# KiCad board ebaz4205.kicad_pcb (continued)
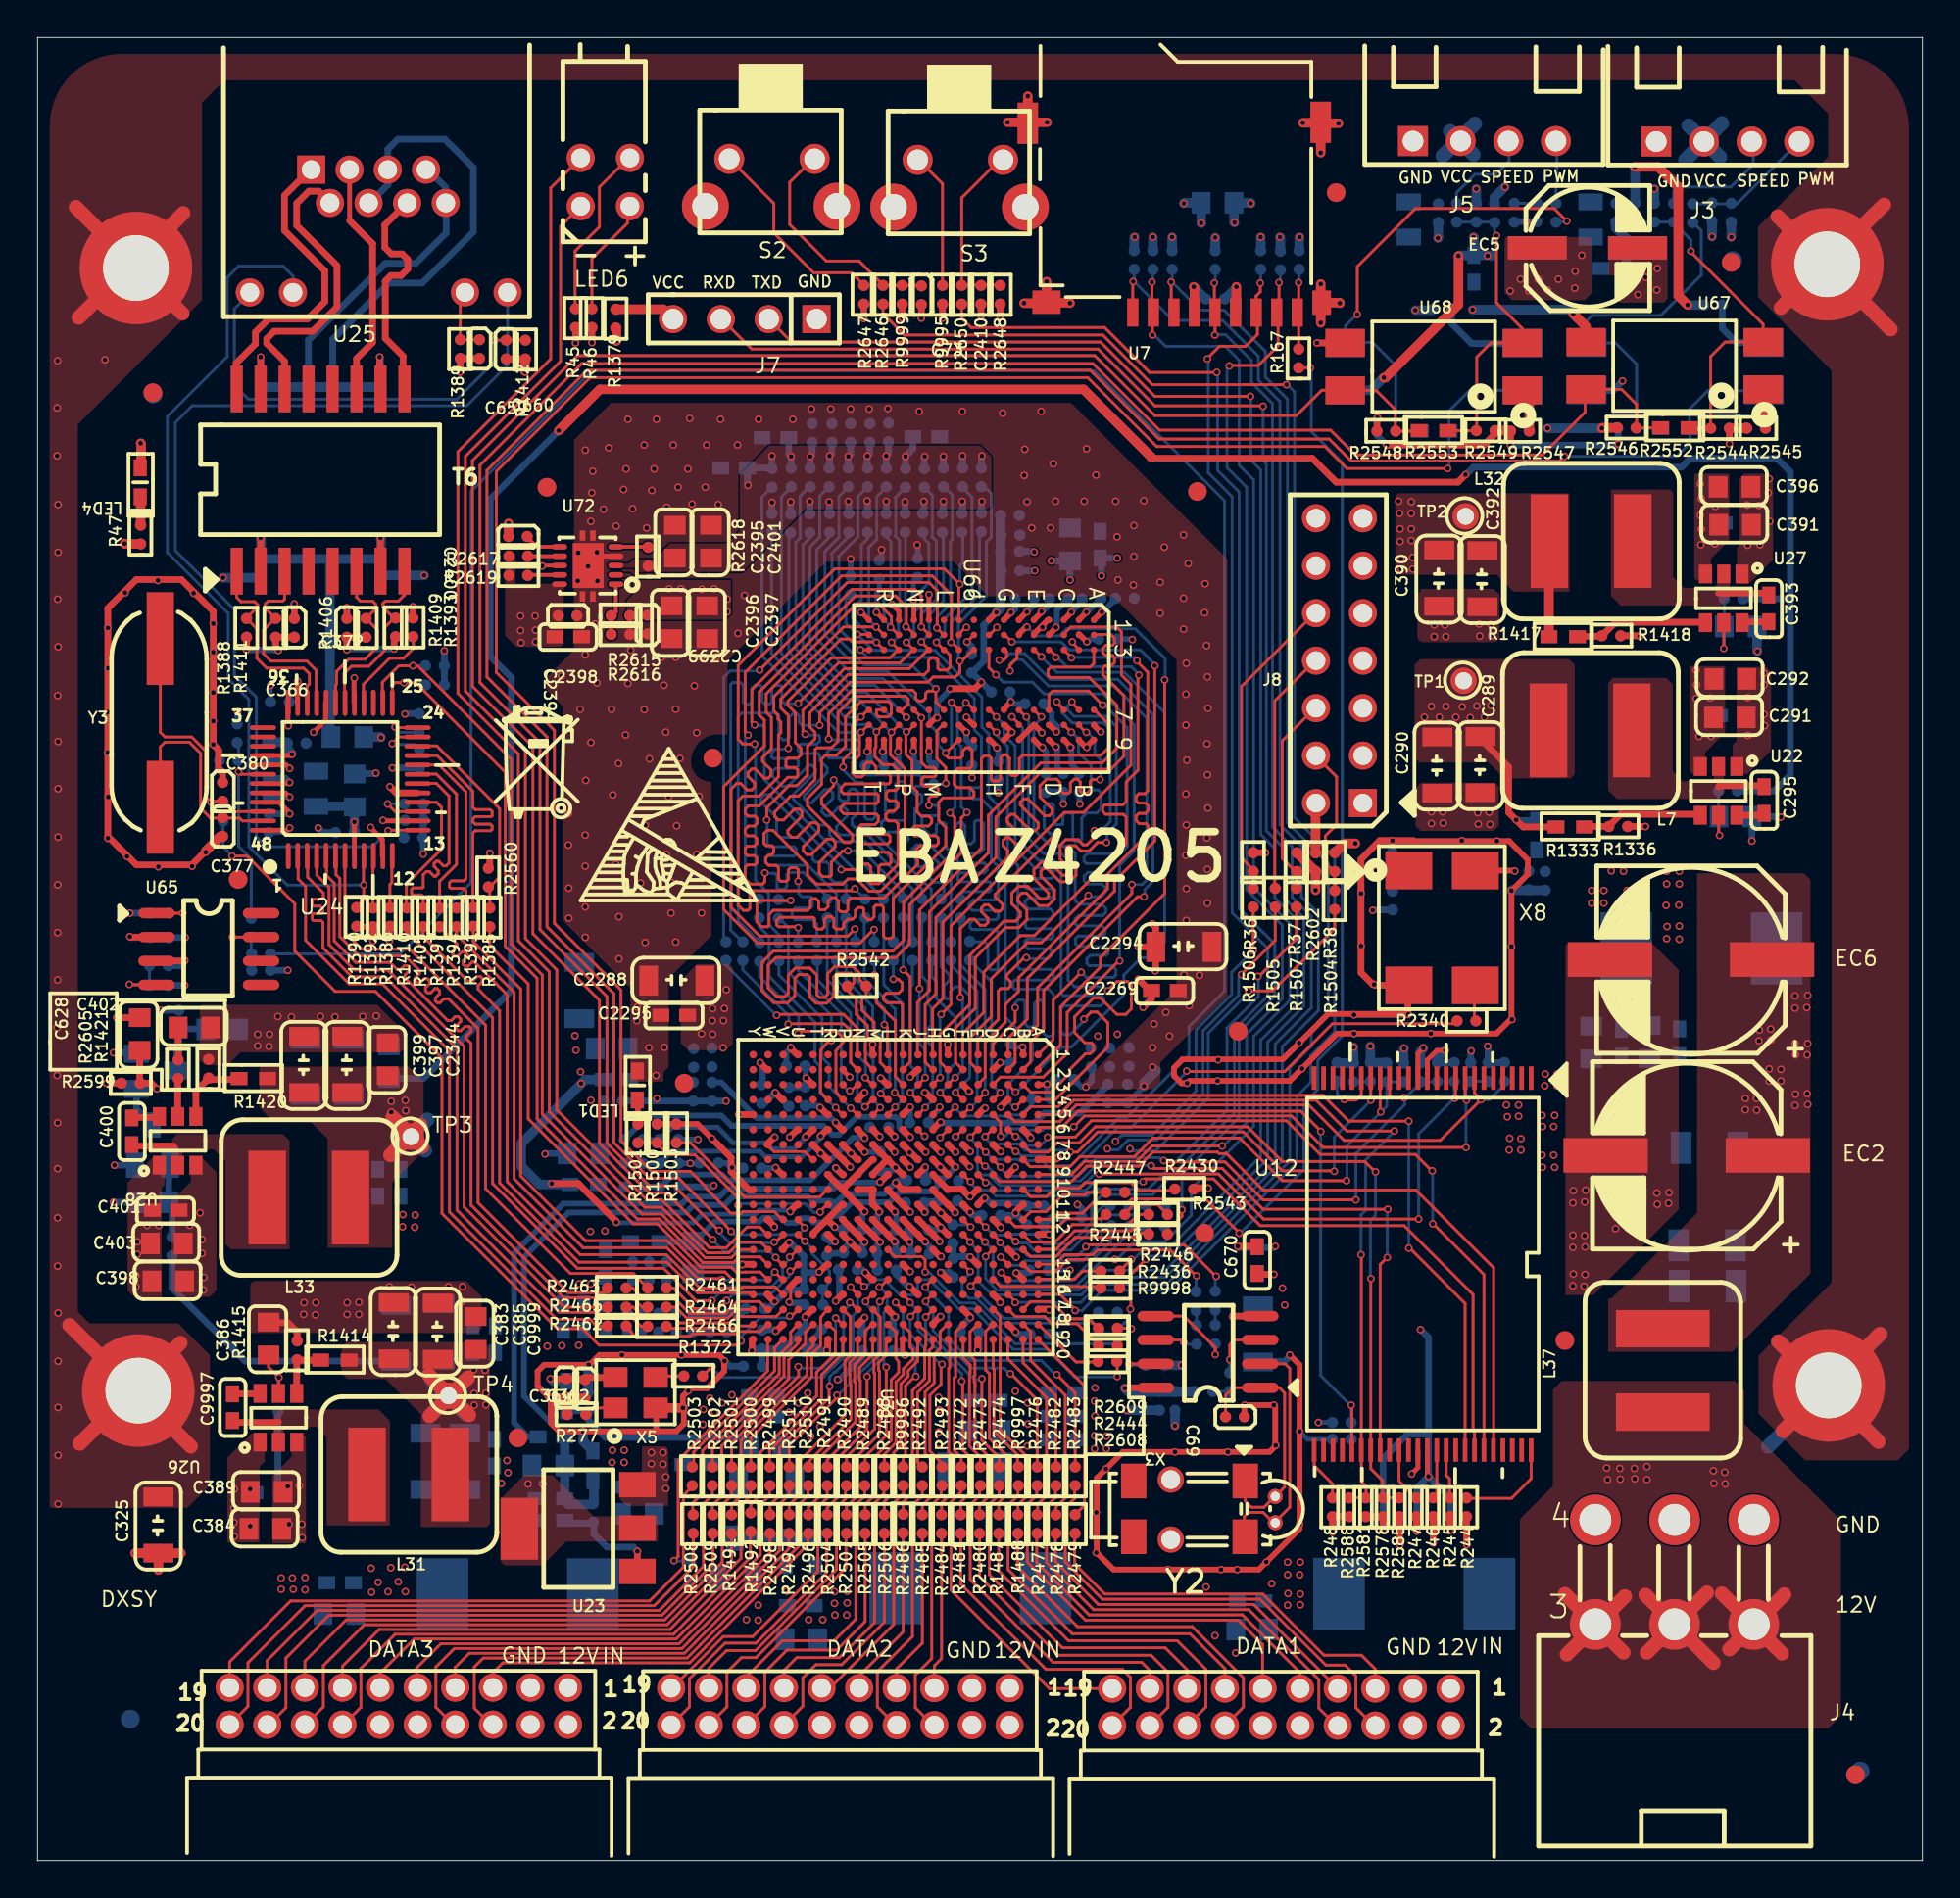
[diagram p0: board, top side]
## Placement (name value [footprint] x y rotation side) (continued)
R2441  NC  [unnamed]  58.28 33.88 180 bottom
R2442  NC  [unnamed]  58.23 34.95 180 bottom
R2443  NC  [unnamed]  60.13 33.8 180 bottom
R2444  NC  [unnamed]  56.6 27.48 0 top
R2445  NC  [unnamed]  57 34.48 0 top
R2446  NC  [unnamed]  59.28 33.43 0 top
R2447  NC  [unnamed]  57 35.65 0 top
R2455  240R 1%  [unnamed]  47.8 57.43 90 bottom
R2456  80.5R 1%  [unnamed]  47.53 39.38 180 bottom
R2457  80.5R 1%  [unnamed]  54.05 40.65 180 bottom
R2458  1.2K 1%  [unnamed]  58.23 42.38 90 bottom
R2459  1.2K 1%  [unnamed]  58.15 40.43 90 bottom
R2460  0R 5%  [unnamed#28]  29.93 36.08 180 bottom
R2461  22R 1%  [unnamed]  32.55 30.55 0 top
R2462  22R 1%  [unnamed]  30.4 28.53 0 top
R2463  22R 1%  [unnamed]  30.4 30.55 0 top
R2464  22R 1%  [unnamed]  32.55 29.53 0 top
R2465  22R 1%  [unnamed]  30.4 29.53 0 top
R2466  22R 1%  [unnamed]  32.55 28.5 0 top
R2468  NC  [unnamed#28]  28.13 18.15 180 bottom
R2469  4.7K 1%  [unnamed]  21.7 63.75 180 bottom
R2470  4.7K 1%  [unnamed]  21.7 62.73 180 bottom
R2471  0R 5%  [unnamed#28]  28.13 19.3 180 bottom
R2472  22R 1%  [unnamed]  49.28 20 90 top
R2473  22R 1%  [unnamed]  50.3 20 90 top
R2474  22R 1%  [unnamed]  51.3 20 90 top
R2476  22R 1%  [unnamed]  53.33 20 90 top
R2477  22R 1%  [unnamed]  53.33 17.45 90 top
R2478  22R 1%  [unnamed]  54.33 17.45 90 top
R2479  22R 1%  [unnamed]  55.35 17.45 90 top
R2480  22R 1%  [unnamed]  50.25 17.45 90 top
R2481  22R 1%  [unnamed]  49.25 17.45 90 top
R2482  22R 1%  [unnamed]  54.33 20 90 top
R2483  22R 1%  [unnamed]  55.35 20 90 top
R2484  22R 1%  [unnamed]  48.23 17.45 90 top
R2485  22R 1%  [unnamed]  47.2 17.45 90 top
R2486  22R 1%  [unnamed]  46.18 17.48 90 top
R2487  NC  [unnamed]  29.65 19.05 270 bottom
R2488  22R 1%  [unnamed]  45.18 20 90 top
R2489  22R 1%  [unnamed]  44.13 20 90 top
R2490  22R 1%  [unnamed]  43.15 20 90 top
R2491  22R 1%  [unnamed]  42.13 20 90 top
R2492  22R 1%  [unnamed]  47.2 20 90 top
R2493  22R 1%  [unnamed]  48.25 20 90 top
R2496  22R 1%  [unnamed]  41.13 17.45 90 top
R2497  22R 1%  [unnamed]  40.1 17.45 90 top
R2498  22R 1%  [unnamed]  39.08 17.45 90 top
R2499  22R 1%  [unnamed]  39.08 20 90 top
R2500  22R 1%  [unnamed]  38.05 20 90 top
R2501  22R 1%  [unnamed]  37.03 20 90 top
R2502  22R 1%  [unnamed]  36 20 90 top
R2503  22R 1%  [unnamed]  34.93 20 90 top
R2504  22R 1%  [unnamed]  42.13 17.45 90 top
R2505  22R 1%  [unnamed]  44.15 17.45 90 top
R2506  22R 1%  [unnamed]  45.18 17.45 90 top
R2507  22R 1%  [unnamed]  43.15 17.45 90 top
R2508  22R 1%  [unnamed]  34.98 17.45 90 top
R2509  22R 1%  [unnamed]  36.03 17.45 90 top
R2510  22R 1%  [unnamed]  41.13 20 90 top
R2511  22R 1%  [unnamed]  40.1 20 90 top
R2512  0R 1%  [unnamed]  51.38 34.43 180 bottom
R2513  10R 1%  [unnamed]  39.55 48 90 bottom
R2514  10R 1%  [unnamed]  45.13 50.3 90 bottom
R2515  10R 1%  [unnamed]  39.53 50.28 90 bottom
R2516  10R 1%  [unnamed]  47.18 50.33 90 bottom
R2517  10R 1%  [unnamed]  37.63 48.03 90 bottom
R2518  10R 1%  [unnamed]  46.18 50.33 90 bottom
R2519  10R 1%  [unnamed]  42.13 50.3 90 bottom
R2520  10R 1%  [unnamed]  44.63 48.03 90 bottom
R2521  10R 1%  [unnamed]  41.58 48.03 90 bottom
R2522  10R 1%  [unnamed]  43.63 48.03 90 bottom
R2523  10R 1%  [unnamed]  43.13 50.3 90 bottom
R2524  10R 1%  [unnamed]  44.15 50.3 90 bottom
R2525  10R 1%  [unnamed]  45.65 48.03 90 bottom
R2526  10R 1%  [unnamed]  46.68 48.03 90 bottom
R2527  10R 1%  [unnamed]  48.73 48.03 90 bottom
R2528  10R 1%  [unnamed]  47.7 48.03 90 bottom
R2529  10R 1%  [unnamed]  49.23 50.3 90 bottom
R2530  10R 1%  [unnamed]  49.73 48.05 90 bottom
R2531  10R 1%  [unnamed]  48.2 50.3 90 bottom
R2532  10R 1%  [unnamed]  38.53 47.98 90 bottom
R2533  10R 1%  [unnamed]  38.5 50.3 90 bottom
R2534  10R 1%  [unnamed]  42.63 48.03 90 bottom
R2535  10R 1%  [unnamed]  36.73 48.03 90 bottom
R2536  10R 1%  [unnamed]  40.58 48 90 bottom
R2537  1.2K 1%  [unnamed]  51.4 68.83 0 bottom
R2538  1.2K 1%  [unnamed]  51.38 71.78 0 bottom
R2539  20K 1%  [unnamed]  48.83 32.93 90 bottom
R2540  NC  [unnamed]  41.88 30.48 180 bottom
R2541  20K 1%  [unnamed]  41.9 29.65 180 bottom
R2542  80.5R 1%  [unnamed]  43.2 46.65 0 top
R2543  NC  [unnamed]  59.28 34.48 0 top
R2544  10K 1%  [unnamed]  89.25 76.43 0 top
R2545  10K 1%  [unnamed]  91.18 76.43 0 top
R2546  10K 1%  [unnamed]  84.28 76.45 0 top
R2547  10K 1%  [unnamed]  78.58 76.28 0 top
R2548  10K 1%  [unnamed]  71.45 76.28 0 top
R2549  10K 1%  [unnamed]  76.75 76.3 0 top
R2551  1K 1%  [unnamed]  88.88 83 0 bottom
R2552  NC  [unnamed#28]  86.58 76.45 0 top
R2553  NC  [unnamed#28]  73.7 76.3 0 top
R2554  NC  [unnamed#28]  88.13 76.43 180 bottom
R2556  10K 1%  [unnamed]  71.45 76.28 0 bottom
R2557  NC  [unnamed#28]  75.3 76.28 180 bottom
R2558  1M 5%  [unnamed#47]  90.7 38.03 180 bottom
R2559  1M 5%  [unnamed#47]  90.6 30.65 180 bottom
R2560  4.7K 1%  [unnamed]  24.05 51.95 90 top
R2577  NC  [unnamed]  70.08 23.38 180 bottom
R2578  20K 1%  [unnamed]  71.78 18.35 90 top
R2579  NC  [unnamed]  70.2 41.55 90 bottom
R2580  NC  [unnamed]  72.88 41.55 90 bottom
R2581  NC  [unnamed]  70.85 18.35 90 top
R2582  NC  [unnamed]  74.68 41.58 90 bottom
R2583  NC  [unnamed]  77.38 41.58 90 bottom
R2584  20K 1%  [unnamed]  70.08 22.48 180 bottom
R2585  NC  [unnamed]  72.65 18.35 90 top
R2586  20K 1%  [unnamed]  71.1 41.58 90 bottom
R2587  20K 1%  [unnamed]  71.98 41.55 90 bottom
R2588  20K 1%  [unnamed]  69.98 18.35 90 top
R2590  20K 1%  [unnamed]  76.45 41.58 90 bottom
R2598  20K 1%  [unnamed]  73.78 41.55 90 bottom
R2599  10K 1%  [unnamed]  4.48 41.48 0 top
R2602  0R 1%  [unnamed]  68.18 52.78 90 top
R2603  0R 1%  [unnamed]  89.68 57.08 0 bottom
R2604  0R 1%  [unnamed]  89.98 67.33 0 bottom
R2605  0R 1%  [unnamed]  7.5 41.73 90 top
R2608  NC  [unnamed]  56.58 26.63 0 top
R2609  NC  [unnamed]  56.6 28.4 0 top
R2615  NC  [unnamed]  30.6 66.43 0 top
R2616  NC  [unnamed]  30.6 65.43 0 top
R2617  NC  [unnamed]  25.15 69.6 0 top
R2618  NC  [unnamed]  32.58 69.08 90 top
R2619  NC  [unnamed]  25.15 68.58 0 top
R2621  NC  [unnamed]  47.23 70.88 90 bottom
R2622  NC  [unnamed]  42.23 73.3 90 bottom
R2623  NC  [unnamed]  46.3 73.28 90 bottom
R2624  NC  [unnamed]  46.28 70.88 90 bottom
R2625  NC  [unnamed]  41.23 73.3 90 bottom
R2626  NC  [unnamed]  45.28 70.88 90 bottom
R2627  NC  [unnamed]  39.18 70.88 90 bottom
R2628  NC  [unnamed]  45.28 73.3 90 bottom
R2629  NC  [unnamed]  39.18 73.28 90 bottom
R2630  NC  [unnamed]  44.28 70.88 90 bottom
R2631  NC  [unnamed]  43.28 70.88 90 bottom
R2632  NC  [unnamed]  40.18 70.85 90 bottom
R2633  NC  [unnamed]  42.25 70.88 90 bottom
R2634  NC  [unnamed]  44.28 73.3 90 bottom
R2635  NC  [unnamed]  40.2 73.3 90 bottom
R2636  NC  [unnamed]  47.3 73.28 90 bottom
R2637  NC  [unnamed]  41.2 70.85 90 bottom
R2638  NC  [unnamed]  48.27 70.88 90 bottom
R2639  NC  [unnamed]  50.35 73.3 90 bottom
R2640  NC  [unnamed]  50.35 70.9 90 bottom
R2641  NC  [unnamed]  49.35 73.3 90 bottom
R2642  NC  [unnamed]  49.31 70.88 90 bottom
R2643  NC  [unnamed]  48.33 73.3 90 bottom
R2644  NC  [unnamed]  43.25 73.3 90 bottom
R2645  4.7K 1%  [unnamed]  43.38 67.55 90 bottom
R2646  0R 1%  [unnamed]  45.1 83.05 90 top
R2647  0R 1%  [unnamed]  44.08 83.05 90 top
R2648  10K 1%  [unnamed]  51.35 83.05 90 top
R2650  0R 1%  [unnamed]  49.3 83.05 90 top
R2800  10K 1%  [unnamed]  7.55 45.38 270 bottom
R3555  1K 1%  [unnamed]  74.43 82.78 0 bottom
R9995  0R 1%  [unnamed]  48.28 83.05 90 top
R9996  22R 1%  [unnamed]  46.18 20 90 top
R9997  22R 1%  [unnamed]  52.33 20 90 top
R9998  NC  [unnamed]  56.73 30.55 0 top
R9999  10K 1%  [unnamed]  46.13 83.05 90 top
S2  6*6*5MM  [unnamed#39]  35.63 88.28 0 top
S3  NC  [unnamed#39]  45.68 88.23 0 top
T6  BT16B03  [unnamed#33]  10.63 68.8 0 top
TP1  3V3  [unnamed#19]  76.08 62.95 0 top
TP2  VDD_1V5  [unnamed#19]  76.18 71.73 0 top
TP3  1V8  [unnamed#19]  19.93 38.63 0 top
TP4  1V9  [unnamed#19]  21.93 24.8 0 top
U7  NC  [unnamed#18]  58.43 82.6 0 top
U12  W29N01HVSINA  [unnamed#41]  79.68 41.75 0 top
U20  MMBT3904/1AM  [unnamed#46]  7.08 37.1 180 bottom
U21  MMBT3904/1AM  [unnamed#46]  5.28 41.18 90 bottom
U22  J37I  [unnamed#10]  90.65 58.38 0 top
U23  NC  [unnamed#12]  32 15.43 0 top
U24  IP101GA  [unnamed#16]  13.38 53.6 0 top
U25  RJ45  [unnamed#29]  14.6 90.23 0 top
U26  J37I  [unnamed#10]  11.88 22.33 180 top
U27  J37I  [unnamed#10]  90.93 68.65 0 top
U28  J37I  [unnamed#10]  6.5 37.1 180 top
U30  ACOI  [unnamed#46]  38.18 15.05 180 bottom
U31  XC7Z010-1CLG400I  [unnamed#40]  53.38 43 270 top
U65  SGM706-SYS8  [unnamed#14]  6.35 50.55 0 top
U66  EM6GD16EWKG-12H  [unnamed#27]  56.35 66.2 270 top
U67  EL817  [unnamed#30]  92.05 78.5 0 top
U68  EL817  [unnamed#30]  79.2 78.45 0 top
U69  PC817  [unnamed#30]  92.1 80.98 0 bottom
U70  PC817  [unnamed#30]  79.23 80.98 0 bottom
U72  TPS51200  [unnamed#21]  30.85 68.1 0 top
X3  DS1307  [unnamed#14]  65.23 25.23 180 top
X5  NC  [unnamed#35]  30.83 24.15 0 top
X8  33.333MHZ  [unnamed#20]  73.15 52.83 0 top
Y2  NC  [unnamed#22]  64.43 20.25 0 top
Y3  25.000MHZ  [unnamed#25]  6.55 56.2 0 top

## Library data of the parts
S2 S3 = -: automotive: No; category: Switch; contact current rating: 50mA; contact resistance: 100mΩ; device class L1: Electromechanical; device class L2: Switches; device class L3: Tactile Switches; digikey description: SWITCH TACTILE SPST-NO 0.05A 24V; digikey part number: 450-1177-ND; electromechanical life: 100000Cycles; height: 7.3mm; lead free: Yes; library id: 40f7c9658163cfbb; manufacturer: TE Connectivity; mount: Through Hole; mouser description: Tactile Switches TACTILE SWITCH R/A PB; mouser part number: 506-FSMRACD; operating force: 160gf; package: SW_PTH; rohs: Yes; temperature range high: +85°C; temperature range low: -35°C; throw configuration: SPST-NO; voltage rating DC: 24V
U12 = -: Description: NAND Flash 1G-bit NAND flash, 3V, 1-bit ECC, 3V, x8; Arrow Price/Stock: https://www.arrow.com/en/products/w29n01hvsina/winbond-electronics; Height: 1.2; Manufacturer_Name: Winbond; Mouser Part Number: 454-W29N01HVSINA; Mouser Price/Stock: https://www.mouser.co.uk/ProductDetail/Winbond/W29N01HVSINA/?qs=qSfuJ%252Bfl%2Fd7iZ1AIh6iFjw%3D%3D
U31 = -: desc: xc7z010clg400
U66 = -: category: IC; device class L1: Integrated Circuits (ICs); device class L2: Memory; device class L3: RAM; digikey description: IC DRAM 2G PARALLEL 96FBGA; digikey part number: 557-1752-ND; height: 1.2mm; interface: Parallel; ipc land pattern name: BGA144N80P9X16_1410X810X120; lead free: yes; library id: 6afe3f7199e70a5b; manufacturer: Micron; max supply voltage: 1.45V; memory size: 256MB; memory type: RAM,SDRAM; min supply voltage: 1.283V; mouser part number: 340-135814-TRAY; package: FBGA96; rohs: yes; standoff height: 0.25mm; temperature range high: +95°C; temperature range low: -40°C
U72 = -: Description: Sink and Source DDR Termination Regulator; Arrow Part Number: TPS51200AQDRCRQ1; Arrow Price/Stock: https://www.arrow.com/en/products/tps51200aqdrcrq1/texas-instruments; Height: 1; Manufacturer_Name: Texas Instruments; Manufacturer_Part_Number: TPS51200AQDRCRQ1; Mouser Part Number: 595-TPS51200AQDRCRQ1; Mouser Price/Stock: https://www.mouser.co.uk/ProductDetail/Texas-Instruments/TPS51200AQDRCRQ1?qs=l7cgNqFNU1gY%2FJNJPp%252Beiw%3D%3D
X3 = -: Description: DS1307Z+, Real Time Clock, Alarm, Calendar, Clock, 56B RAM, I2C, 5V, 8-Pin SOIC; Height: 1.75; Manufacturer_Name: Maxim Integrated; Manufacturer_Part_Number: DS1307Z+; Mouser Part Number: 700-DS1307Z; Mouser Price/Stock: https://www.mouser.co.uk/ProductDetail/Maxim-Integrated/DS1307Z%2b/?qs=0Y9aZN%252BMVCUvNDMAh9aCtw%3D%3D

## Footprints (pads in the part's own frame, mm; a bottom-side part is the same pattern mirrored in y, then rotated)
unnamed
  round 0.6 smd: 1(0,0) 2(1,0)
unnamed#2
  rect 0.7x0.9 smd: 1(0,-1.55) 2(0,0)
unnamed#3
  rect 1x1.6 smd: 1(0,0) 2(3,0)
unnamed#47
  rect 1.1x1.7 smd: 1(0,0) 2(3.025,0)
unnamed#4
  round 1 smd far side: (0,0)
unnamed#48
  round 1 smd: (0,0)
unnamed#5
  round 2.7 hole 1.7: 1(0,0) 2(0,5.575) 3(-4.225,0) 4(-4.225,5.575) 5(-8.45,0) 6(-8.45,5.575)
unnamed#6
  rect 0.9x0.7 smd: 1(0,0) 2(1.425,0)
unnamed#7
  round 0.6 smd: 1(0,0) 2(0,1)
unnamed#8
  rect 2x5 smd: 1(0,0) 2(4.45,0)
unnamed#9
  rect 2x5 smd: 1(0,0) 2(4.45,0)
unnamed#10
  rect 0.7x1 smd: 1(0,0) 2(-0.975,0) 3(-1.95,0) 4(-1.95,-2.6) 5(-0.975,-2.6) 6(0,-2.6)
unnamed#11
  rect 1x1.15 smd: 1(0,0) 2(1.75,0)
unnamed#12
  rect 1.95x1.35 smd: 1(0,0) 2(0,2.312) 3(0,4.625)
  rect 2x3.3 smd: 4(-6.3,2.275)
unnamed#13
  round 6 hole 3.5: 2(0,0)
unnamed#14
  oval 1.95x0.55 smd: 1(0,0) 2(0,-1.275) 3(0,-2.55) 4(0,-3.825) 5(5.575,-3.825) 6(5.575,-2.55) 7(5.575,-1.275) 8(5.575,0)
unnamed#15
  round 1.5 hole 1: 1(0,0) 2(0,-1.975) 3(-2.006,0) 4(-2.006,-1.975) 5(-4.011,0) 6(-4.011,-1.975) 7(-6.017,0) 8(-6.017,-1.975) 9(-8.022,0) 10(-8.022,-1.975) 11(-10.028,0) 12(-10.028,-1.975) 13(-12.033,0) 14(-12.033,-1.975) 15(-14.039,0) 16(-14.039,-1.975) 17(-16.044,0) 18(-16.044,-1.975) 19(-18.05,0) 20(-18.05,-1.975)
unnamed#16
  oval 0.25x1.4 smd: 1(0,0) 2(0.505,0) 3(1.009,0) 4(1.514,0) 5(2.018,0) 6(2.523,0) 7(3.027,0) 8(3.532,0) 9(4.036,0) 10(4.541,0) 11(5.045,0) 12(5.55,0) 25(5.55,8.175) 26(5.045,8.175) 27(4.541,8.175) 28(4.036,8.175) 29(3.532,8.175) 30(3.027,8.175) 31(2.523,8.175) 32(2.018,8.175) 33(1.514,8.175) 34(1.009,8.175) 35(0.505,8.175) 36(0,8.175)
  oval 1.4x0.25 smd: 13(6.9,1.375) 14(6.9,1.873) 15(6.9,2.37) 16(6.9,2.868) 17(6.9,3.366) 18(6.9,3.864) 19(6.9,4.361) 20(6.9,4.859) 21(6.9,5.357) 22(6.9,5.855) 23(6.9,6.352) 24(6.9,6.85) 37(-1.35,6.85) 38(-1.35,6.352) 39(-1.35,5.855) 40(-1.35,5.357) 41(-1.35,4.859) 42(-1.35,4.361) 43(-1.35,3.864) 44(-1.35,3.366) 45(-1.35,2.868) 46(-1.35,2.37) 47(-1.35,1.873) 48(-1.35,1.375)
unnamed#17
  rect 1.5x1.5 hole 1.1: 1(0,0)
  round 1.5 hole 1.1: 2(-2.55,0) 3(-5.1,0) 4(-7.65,0)
unnamed#18
  rect 0.6x1.5 smd: 1(0,0) 2(1.097,0) 3(2.194,0) 4(3.291,0) 5(4.387,0) 6(5.484,0) 7(6.581,0) 8(7.678,0) 9(8.775,0)
  rect 1x1.3 smd: 10(10.075,0.525)
  rect 1.1x2.2 smd: 11(10.025,10.15) 12(-5.6,10.1)
  rect 1.5x1.25 smd: 13(-4.6,0.55)
unnamed#19
  round 1.4 hole 0.9: 1(0,0)
unnamed#49
  round 6 hole 3.5: 1(0,0)
unnamed#20
  rect 2.5x2 smd: 1(0,0) 2(0,-6.125) 3(3.55,-6.125) 4(3.55,0)
unnamed#21
  oval 0.8x0.3 smd: 1(0,0) 2(0,0.5) 3(0,1) 4(0,1.5) 5(0,2) 6(-3,2) 7(-3,1.5) 8(-3,1) 9(-3,0.5) 10(-3,0)
  rect 0.3x0.55 smd: 11(-1.775,-0.65) 12(-1.225,-0.65) 13(-1.225,2.6) 14(-1.775,2.6)
  rect 1.65x2.4 smd: 15(-1.475,1)
unnamed#22
  rect 1.35x1.85 smd: 1(0,0) 2(0,-2.975) 3(-5.95,-2.975) 4(-5.95,0)
  round 1.4 hole 1: 5(-3.975,0.075) 6(-3.975,-3.125)
  round 0.8 hole 0.5: 7(1.6,-2.225) 8(1.6,-0.825)
unnamed#23
  rect 1x1.15 smd: 1(0,0) 2(1.75,0)
unnamed#24
  round 6 hole 3.5: 3(0,0)
unnamed#25
  rect 1.45x4.95 smd: 1(0,0) 2(0,9)
unnamed#26
  rect 4.5x1.85 smd: 1(0,0) 2(-8.65,0)
unnamed#27
  round 0.35 smd: A1(0,0) A2(0.8,0) A3(1.6,0) A7(4.8,0) A8(5.6,0) A9(6.4,0) B1(0,-0.8) B2(0.8,-0.8) B3(1.6,-0.8) B7(4.8,-0.8) B8(5.6,-0.8) B9(6.4,-0.8) C1(0,-1.6) C2(0.8,-1.6) C3(1.6,-1.6) C7(4.8,-1.6) C8(5.6,-1.6) C9(6.4,-1.6) D1(0,-2.4) D2(0.8,-2.4) D3(1.6,-2.4) D7(4.8,-2.4) D8(5.6,-2.4) D9(6.4,-2.4) E1(0,-3.2) E2(0.8,-3.2) E3(1.6,-3.2) E7(4.8,-3.2) E8(5.6,-3.2) E9(6.4,-3.2) F1(0,-4) F2(0.8,-4) F3(1.6,-4) F7(4.8,-4) F8(5.6,-4) F9(6.4,-4) G1(0,-4.8) G2(0.8,-4.8) G3(1.6,-4.8) G7(4.8,-4.8) G8(5.6,-4.8) G9(6.4,-4.8) H1(0,-5.6) H2(0.8,-5.6) H3(1.6,-5.6) H7(4.8,-5.6) H8(5.6,-5.6) H9(6.4,-5.6) J1(0,-6.4) J2(0.8,-6.4) J3(1.6,-6.4) J7(4.8,-6.4) J8(5.6,-6.4) J9(6.4,-6.4) K1(0,-7.2) K2(0.8,-7.2) K3(1.6,-7.2) K7(4.8,-7.2) K8(5.6,-7.2) K9(6.4,-7.2) L1(0,-8) L2(0.8,-8) L3(1.6,-8) L7(4.8,-8) L8(5.6,-8) L9(6.4,-8) M1(0,-8.8) M2(0.8,-8.8) M3(1.6,-8.8) M7(4.8,-8.8) M8(5.6,-8.8) M9(6.4,-8.8) N1(0,-9.6) N2(0.8,-9.6) N3(1.6,-9.6) N7(4.8,-9.6) N8(5.6,-9.6) N9(6.4,-9.6) P1(0,-10.4) P2(0.8,-10.4) P3(1.6,-10.4) P7(4.8,-10.4) P8(5.6,-10.4) P9(6.4,-10.4) R1(0,-11.2) R2(0.8,-11.2) R3(1.6,-11.2) R7(4.8,-11.2) R8(5.6,-11.2) R9(6.4,-11.2) T1(0,-12) T2(0.8,-12) T3(1.6,-12) T7(4.8,-12) T8(5.6,-12) T9(6.4,-12)
unnamed#28
  rect 0.9x0.7 smd: 1(0,0) 2(1.525,0)
unnamed#29
  rect 1.5x1.5 hole 1: 1(0,0)
  round 1.5 hole 1: 2(1,-1.775) 3(2.042,0) 4(3.058,-1.775) 5(4.083,0) 6(5.117,-1.775) 7(6.125,0) 8(7.175,-1.775) 9(10.475,-6.55) 10(8.2,-6.55) 11(-0.975,-6.55) 12(-3.275,-6.55)
unnamed#30
  rect 2.1x1.5 smd: 1(0,0) 2(0,2.525) 3(-9.45,2.525) 4(-9.45,0)
unnamed#31
  round 1.5 hole 1: 1(0,0) 2(0,2.575) 3(-2.625,2.575) 4(-2.625,0)
unnamed#32
  round 6 hole 3.5: 4(0,0)
unnamed#33
  rect 0.65x2.5 smd: 1(0,0) 2(1.279,0) 3(2.557,0) 4(3.836,0) 5(5.114,0) 6(6.393,0) 7(7.671,0) 8(8.95,0) 9(8.95,9.725) 10(7.671,9.725) 11(6.393,9.725) 12(5.114,9.725) 13(3.836,9.725) 14(2.557,9.725) 15(1.279,9.725) 16(0,9.725)
unnamed#34
  rect 1.6x1.6 hole 1.1: 1(0,0)
  round 1.6 hole 1.1: 2(2.542,0) 3(5.083,0) 4(7.625,0)
unnamed#35
  rect 1.3x1.1 smd: 1(0,0) 2(0,1.625) 3(2.15,1.625) 4(2.15,0)
unnamed#36
  rect 3.15x1.25 smd: 1(0,0) 2(5.35,0)
unnamed#37
  rect 4.5x1.85 smd: 1(0,0) 2(-8.65,0)
unnamed#38
  rect 0.7x0.9 smd: 1(0,-1.55) 2(0,0)
unnamed#39
  round 2.5 hole 1.4: 1(0,0) 2(7.025,0)
  round 1.6 hole 1.1: 3(5.825,2.525) 4(1.275,2.525)
unnamed#40
  round 0.4 smd: A1(0,0) A2(0.8,0) A3(1.6,0) A4(2.4,0) A5(3.2,0) A6(4,0) A7(4.8,0) A8(5.6,0) A9(6.4,0) A10(7.2,0) A11(8,0) A12(8.8,0) A13(9.6,0) A14(10.4,0) A15(11.2,0) A16(12,0) A17(12.8,0) A18(13.6,0) A19(14.4,0) A20(15.2,0) B1(0,-0.8) B2(0.8,-0.8) B3(1.6,-0.8) B4(2.4,-0.8) B5(3.2,-0.8) B6(4,-0.8) B7(4.8,-0.8) B8(5.6,-0.8) B9(6.4,-0.8) B10(7.2,-0.8) B11(8,-0.8) B12(8.8,-0.8) B13(9.6,-0.8) B14(10.4,-0.8) B15(11.2,-0.8) B16(12,-0.8) B17(12.8,-0.8) B18(13.6,-0.8) B19(14.4,-0.8) B20(15.2,-0.8) C1(0,-1.6) C2(0.8,-1.6) C3(1.6,-1.6) C4(2.4,-1.6) C5(3.2,-1.6) C6(4,-1.6) C7(4.8,-1.6) C8(5.6,-1.6) C9(6.4,-1.6) C10(7.2,-1.6) C11(8,-1.6) C12(8.8,-1.6) C13(9.6,-1.6) C14(10.4,-1.6) C15(11.2,-1.6) C16(12,-1.6) C17(12.8,-1.6) C18(13.6,-1.6) C19(14.4,-1.6) C20(15.2,-1.6) D1(0,-2.4) D2(0.8,-2.4) D3(1.6,-2.4) D4(2.4,-2.4) D5(3.2,-2.4) D6(4,-2.4) D7(4.8,-2.4) D8(5.6,-2.4) D9(6.4,-2.4) D10(7.2,-2.4) D11(8,-2.4) D12(8.8,-2.4) D13(9.6,-2.4) D14(10.4,-2.4) D15(11.2,-2.4) D16(12,-2.4) D17(12.8,-2.4) D18(13.6,-2.4) D19(14.4,-2.4) D20(15.2,-2.4) E1(0,-3.2) E2(0.8,-3.2) E3(1.6,-3.2) E4(2.4,-3.2) E5(3.2,-3.2) E6(4,-3.2) E7(4.8,-3.2) E8(5.6,-3.2) E9(6.4,-3.2) E10(7.2,-3.2) E11(8,-3.2) E12(8.8,-3.2) E13(9.6,-3.2) E14(10.4,-3.2) E15(11.2,-3.2) E16(12,-3.2) E17(12.8,-3.2) E18(13.6,-3.2) E19(14.4,-3.2) E20(15.2,-3.2) F1(0,-4) F2(0.8,-4) F3(1.6,-4) F4(2.4,-4) F5(3.2,-4) F6(4,-4) F7(4.8,-4) F8(5.6,-4) F9(6.4,-4) F10(7.2,-4) F11(8,-4) F12(8.8,-4) F13(9.6,-4) F14(10.4,-4) F15(11.2,-4) F16(12,-4) F17(12.8,-4) F18(13.6,-4) F19(14.4,-4) F20(15.2,-4) G1(0,-4.8) G2(0.8,-4.8) G3(1.6,-4.8) G4(2.4,-4.8) G5(3.2,-4.8) G6(4,-4.8) G7(4.8,-4.8) G8(5.6,-4.8) G9(6.4,-4.8) G10(7.2,-4.8) G11(8,-4.8) G12(8.8,-4.8) G13(9.6,-4.8) G14(10.4,-4.8) G15(11.2,-4.8) G16(12,-4.8) G17(12.8,-4.8) G18(13.6,-4.8) G19(14.4,-4.8) G20(15.2,-4.8) H1(0,-5.6) H2(0.8,-5.6) H3(1.6,-5.6) H4(2.4,-5.6) H5(3.2,-5.6) H6(4,-5.6) H7(4.8,-5.6) H8(5.6,-5.6) H9(6.4,-5.6) H10(7.2,-5.6) H11(8,-5.6) H12(8.8,-5.6) H13(9.6,-5.6) H14(10.4,-5.6) H15(11.2,-5.6) H16(12,-5.6) H17(12.8,-5.6) H18(13.6,-5.6) H19(14.4,-5.6) H20(15.2,-5.6) J1(0,-6.4) J2(0.8,-6.4) J3(1.6,-6.4) J4(2.4,-6.4) J5(3.2,-6.4) J6(4,-6.4) J7(4.8,-6.4) J8(5.6,-6.4) J9(6.4,-6.4) J10(7.2,-6.4) J11(8,-6.4) J12(8.8,-6.4) J13(9.6,-6.4) J14(10.4,-6.4) J15(11.2,-6.4) J16(12,-6.4) J17(12.8,-6.4) J18(13.6,-6.4) J19(14.4,-6.4) J20(15.2,-6.4) K1(0,-7.2) K2(0.8,-7.2) K3(1.6,-7.2) K4(2.4,-7.2) K5(3.2,-7.2) K6(4,-7.2) K7(4.8,-7.2) K8(5.6,-7.2) K9(6.4,-7.2) K10(7.2,-7.2) K11(8,-7.2) K12(8.8,-7.2) K13(9.6,-7.2) K14(10.4,-7.2) K15(11.2,-7.2) K16(12,-7.2) K17(12.8,-7.2) K18(13.6,-7.2) K19(14.4,-7.2) K20(15.2,-7.2) L1(0,-8) L2(0.8,-8) L3(1.6,-8) L4(2.4,-8) L5(3.2,-8) L6(4,-8) L7(4.8,-8) L8(5.6,-8) L9(6.4,-8) L10(7.2,-8) L11(8,-8) L12(8.8,-8) L13(9.6,-8) L14(10.4,-8) L15(11.2,-8) L16(12,-8) L17(12.8,-8) L18(13.6,-8) L19(14.4,-8) L20(15.2,-8) M1(0,-8.8) M2(0.8,-8.8) M3(1.6,-8.8) M4(2.4,-8.8) M5(3.2,-8.8) M6(4,-8.8) M7(4.8,-8.8) M8(5.6,-8.8) M9(6.4,-8.8) M10(7.2,-8.8) M11(8,-8.8) M12(8.8,-8.8) M13(9.6,-8.8) M14(10.4,-8.8) M15(11.2,-8.8) M16(12,-8.8) M17(12.8,-8.8) M18(13.6,-8.8) M19(14.4,-8.8) M20(15.2,-8.8) N1(0,-9.6) N2(0.8,-9.6) N3(1.6,-9.6) N4(2.4,-9.6) N5(3.2,-9.6) N6(4,-9.6) N7(4.8,-9.6) N8(5.6,-9.6) N9(6.4,-9.6) N10(7.2,-9.6) N11(8,-9.6) N12(8.8,-9.6) N13(9.6,-9.6) N14(10.4,-9.6) N15(11.2,-9.6) N16(12,-9.6) N17(12.8,-9.6) N18(13.6,-9.6) N19(14.4,-9.6) N20(15.2,-9.6) P1(0,-10.4) P2(0.8,-10.4) P3(1.6,-10.4) P4(2.4,-10.4) P5(3.2,-10.4) P6(4,-10.4) P7(4.8,-10.4) P8(5.6,-10.4) P9(6.4,-10.4) P10(7.2,-10.4) P11(8,-10.4) P12(8.8,-10.4) P13(9.6,-10.4) P14(10.4,-10.4) P15(11.2,-10.4) P16(12,-10.4) P17(12.8,-10.4) P18(13.6,-10.4) P19(14.4,-10.4) P20(15.2,-10.4) R1(0,-11.2) R2(0.8,-11.2) R3(1.6,-11.2) R4(2.4,-11.2) R5(3.2,-11.2) R6(4,-11.2) R7(4.8,-11.2) R8(5.6,-11.2) R9(6.4,-11.2) R10(7.2,-11.2) R11(8,-11.2) R12(8.8,-11.2) R13(9.6,-11.2) R14(10.4,-11.2) R15(11.2,-11.2) R16(12,-11.2) R17(12.8,-11.2) R18(13.6,-11.2) R19(14.4,-11.2) R20(15.2,-11.2) T1(0,-12) T2(0.8,-12) T3(1.6,-12) T4(2.4,-12) T5(3.2,-12) T6(4,-12) T7(4.8,-12) T8(5.6,-12) T9(6.4,-12) T10(7.2,-12) T11(8,-12) T12(8.8,-12) T13(9.6,-12) T14(10.4,-12) T15(11.2,-12) T16(12,-12) T17(12.8,-12) T18(13.6,-12) T19(14.4,-12) T20(15.2,-12) U1(0,-12.8) U2(0.8,-12.8) U3(1.6,-12.8) U4(2.4,-12.8) U5(3.2,-12.8) U6(4,-12.8) U7(4.8,-12.8) U8(5.6,-12.8) U9(6.4,-12.8) U10(7.2,-12.8) U11(8,-12.8) U12(8.8,-12.8) U13(9.6,-12.8) U14(10.4,-12.8) U15(11.2,-12.8) U16(12,-12.8) U17(12.8,-12.8) U18(13.6,-12.8) U19(14.4,-12.8) U20(15.2,-12.8) V1(0,-13.6) V2(0.8,-13.6) V3(1.6,-13.6) V4(2.4,-13.6) V5(3.2,-13.6) V6(4,-13.6) V7(4.8,-13.6) V8(5.6,-13.6) V9(6.4,-13.6) V10(7.2,-13.6) V11(8,-13.6) V12(8.8,-13.6) V13(9.6,-13.6) V14(10.4,-13.6) V15(11.2,-13.6) V16(12,-13.6) V17(12.8,-13.6) V18(13.6,-13.6) V19(14.4,-13.6) V20(15.2,-13.6) W1(0,-14.4) W2(0.8,-14.4) W3(1.6,-14.4) W4(2.4,-14.4) W5(3.2,-14.4) W6(4,-14.4) W7(4.8,-14.4) W8(5.6,-14.4) W9(6.4,-14.4) W10(7.2,-14.4) W11(8,-14.4) W12(8.8,-14.4) W13(9.6,-14.4) W14(10.4,-14.4) W15(11.2,-14.4) W16(12,-14.4) W17(12.8,-14.4) W18(13.6,-14.4) W19(14.4,-14.4) W20(15.2,-14.4) Y1(0,-15.2) Y2(0.8,-15.2) Y3(1.6,-15.2) Y4(2.4,-15.2) Y5(3.2,-15.2) Y6(4,-15.2) Y7(4.8,-15.2) Y8(5.6,-15.2) Y9(6.4,-15.2) Y10(7.2,-15.2) Y11(8,-15.2) Y12(8.8,-15.2) Y13(9.6,-15.2) Y14(10.4,-15.2) Y15(11.2,-15.2) Y16(12,-15.2) Y17(12.8,-15.2) Y18(13.6,-15.2) Y19(14.4,-15.2) Y20(15.2,-15.2)
unnamed#41
  rect 0.25x1.25 smd: 1(0,0) 2(-0.503,0) 3(-1.007,0) 4(-1.51,0) 5(-2.013,0) 6(-2.516,0) 7(-3.02,0) 8(-3.523,0) 9(-4.026,0) 10(-4.529,0) 11(-5.033,0) 12(-5.536,0) 13(-6.039,0) 14(-6.542,0) 15(-7.046,0) 16(-7.549,0) 17(-8.052,0) 18(-8.555,0) 19(-9.059,0) 20(-9.562,0) 21(-10.065,0) 22(-10.568,0) 23(-11.072,0) 24(-11.575,0) 25(-11.575,-19.85) 26(-11.072,-19.85) 27(-10.568,-19.85) 28(-10.065,-19.85) 29(-9.562,-19.85) 30(-9.059,-19.85) 31(-8.555,-19.85) 32(-8.052,-19.85) 33(-7.549,-19.85) 34(-7.046,-19.85) 35(-6.542,-19.85) 36(-6.039,-19.85) 37(-5.536,-19.85) 38(-5.033,-19.85) 39(-4.529,-19.85) 40(-4.026,-19.85) 41(-3.523,-19.85) 42(-3.02,-19.85) 43(-2.516,-19.85) 44(-2.013,-19.85) 45(-1.51,-19.85) 46(-1.007,-19.85) 47(-0.503,-19.85) 48(0,-19.85)
unnamed#42
  rect 1.5x1.5 hole 1: 1(0,0)
  round 1.5 hole 1: 2(-2.5,0) 3(0,2.533) 4(-2.5,2.533) 5(0,5.067) 6(-2.5,5.067) 7(0,7.6) 8(-2.5,7.6) 9(0,10.133) 10(-2.5,10.133) 11(0,12.667) 12(-2.5,12.667) 13(0,15.2) 14(-2.5,15.2)
unnamed#43
  rect 0.7x0.9 smd: 1(0,0) 2(0,-1.575)
unnamed#44
  rect 2.75x3.85 smd: 1(8.025,0) 2(0,0)
unnamed#45
  rect 1.3x0.9 smd: 1(0,0) 2(0,-1.875)
unnamed#46
  rect 0.95x1.35 smd: 1(0,0) 2(1.875,0) 3(0.975,2.15)

## Nets
GND: C68.2 C69.2 C71.1 C73.1 C82.1 C93.1 C94.1 C147.2 C289.1 C290.1 C291.2 C292.2 C293.1 C294.1 C306.2 C307.2 C308.2 C309.2 C310.2 C319.2 C320.2 C321.2 C322.2 C323.2 C325.1 C362.1 C363.1 C364.1 C366.2 C367.2 C368.2 C369.2 C370.2 C371.2 C372.2 C373.2 C374.2 C375.2 C376.2 C377.1 C379.1 C380.2 C382.2 C383.2 C384.1 C385.2 C386.2 C387.2 C389.1 C390.1 C391.2 C392.1 C394.1 C395.1 C396.2 C397.2 C398.1 C399.2 C401.1 C402.2 C403.1 C538.2 C625.2 C626.2 C628.2 C659.1 C660.1 C663.2 C665.2 C666.1 C667.2 C668.1 C669.1 C670.2 C671.1 C672.1 C673.2 C674.1 C845.1 C846.1 C1887.2 C1987.1 C2250.1 C2269.2 C2280.2 C2285.1 C2287.1 C2288.1 C2291.1 C2292.2 C2293.2 C2294.2 C2295.1 C2296.2 C2297.1 C2298.2 C2299.1 C2302.2 C2304.1 C2305.1 C2306.1 C2307.2 C2308.1 C2309.1 C2310.2 C2312.1 C2313.2 C2314.2 C2315.2 C2316.2 C2317.1 C2318.2 C2319.1 C2320.2 C2321.1 C2322.1 C2323.1 C2324.2 C2325.2 C2326.2 C2327.2 C2328.1 C2329.1 C2330.2 C2331.2 C2332.1 C2333.1 C2334.1 C2335.2 C2336.1 C2337.2 C2338.2 C2339.2 C2340.1 C2341.1 C2342.2 C2343.1 C2344.2 C2345.2 C2346.2 C2347.1 C2349.1 C2350.1 C2351.2 C2352.2 C2353.1 C2354.2 C2355.2 C2356.1 C2357.1 C2358.2 C2359.1 C2360.1 C2361.1 C2362.2 C2363.1 C2365.1 C2366.2 C2367.2 C2368.2 C2369.2 C2370.2 C2371.2 C2372.2 C2373.1 C2374.2 C2375.2 C2376.2 C2377.1 C2378.2 C2379.2 C2381.1 C2382.2 C2384.1 C2394.2 C2395.2 C2396.1 C2397.1 C2398.2 C2399.2 C2400.1 C2401.2 C2402.1 C2403.2 C2404.2 C2405.2 C2406.2 C2407.2 C2408.2 C2409.2 C2410.1 C9998.1 C9999.2 DATA1.3 DATA1.4 DATA1.12 DATA2.3 DATA2.4 DATA2.12 DATA3.3 DATA3.4 DATA3.12 FB14.1 J7.1 J8.1 J8.3 J8.5 J8.7 J8.9 J8.11 J8.13 L36.2 LED1.1 LED4.1 R244.1 R246.1 R248.1 R277.1 R1336.2 R1381.1 R1383.1 R1386.1 R1389.1 R1390.1 R1392.1 R1393.2 R1396.2 R1412.1 R1415.2 R1418.2 R1421.2 R1483.2 R1497.1 R1498.1 R1499.1 R1949.1 R2161.1 R2389.2 R2433.2 R2455.2 R2456.2 R2459.1 R2512.1 R2538.2 R2541.2 R2558.2 R2560.2 R2584.2 R2585.1 R2586.2 R2587.2 R2588.1 R2590.2 R2598.2 R2616.2 R2645.2 R2648.1 R9999.1 S2.1 S2.2 S3.1 S3.2 U7.6 U7.10 U7.11 U7.12 U7.13 U12.13 U12.36 U20.2 U21.2 U22.1 U24.11 U24.17 U24.29 U24.35 U24.43 U24.45 U26.1 U27.1 U28.1 U30.1 U31.A8 U31.A18 U31.B1 U31.B11 U31.C4 U31.C9 U31.C14 U31.D17 U31.E10 U31.E20 U31.F3 U31.F7 U31.F10 U31.G10 U31.G12 U31.G16 U31.H7 U31.H9 U31.H11 U31.H13 U31.H19 U31.J2 U31.J8 U31.J12 U31.K5 U31.K7 U31.K9 U31.K11 U31.K13 U31.K15 U31.L8 U31.L10 U31.L12 U31.L18 U31.M1 U31.M7 U31.M9 U31.M10 U31.M11 U31.M13 U31.N4 U31.N8 U31.N10 U31.N12 U31.N14 U31.P7 U31.P9 U31.P11 U31.P13 U31.P17 U31.R8 U31.R12 U31.R20 U31.T3 U31.T7 U31.T13 U31.U6 U31.U16 U31.V9 U31.V19 U31.W2 U31.W12 U31.Y5 U31.Y15 U65.3 U66.A9 U66.B1 U66.B3 U66.B9 U66.D1 U66.D8 U66.E1 U66.E2 U66.E8 U66.F9 U66.G1 U66.G8 U66.G9 U66.J2 U66.J8 U66.M1 U66.M9 U66.P1 U66.P9 U66.T1 U66.T9 U67.3 U68.3 U72.4 U72.8 U72.11 U72.12 U72.13 U72.14 U72.15 X3.4 X5.4 X8.2 Y2.5 Y2.6
GND3: C304.1 C305.1 C333.1 C334.1 C661.1 C662.2 C2385.2 EC2.2 EC5.2 EC6.2 J3.1 J4.2 J4.4 J4.6 J5.1 L36.1 R1347.1 R1348.2 R1364.1 R1365.2 R2559.2 U69.3 U70.3
GNDA: C325.2 C2385.1 NOREF#4.2 NOREF#9.3 NOREF#13.4 NOREF#20.1 R2558.1 R2559.1
GNDADC_0: C327.2 C664.1 C856.1 C9996.1 FB14.2 R2471.1 R2487.1 U31.J10 U31.K10
VCC: C93.2 C94.2 C147.1 C289.2 C290.2 C367.1 C369.1 C370.1 C374.1 C665.1 C666.2 C667.1 C668.2 C669.2 C670.1 C671.2 C672.2 C673.1 C674.2 C845.2 C846.2 C1887.1 C2343.2 C2394.1 C2398.1 C9998.2 FB15.2 FB16.2 L7.1 L113.1 R36.2 R38.2 R45.1 R46.1 R47.1 R160.2 R161.2 R162.2 R163.2 R164.2 R165.2 R166.2 R245.1 R247.1 R1279.1 R1333.1 R1344.2 R1358.2 R1359.2 R1360.2 R1361.2 R1379.1 R1408.1 R1500.2 R1502.2 R1503.2 R1507.2 R1948.1 R1950.1 R1995.2 R2336.2 R2391.1 R2430.2 R2432.2 R2460.2 R2469.1 R2470.1 R2539.1 R2546.1 R2548.1 R2551.1 R2577.2 R2578.1 R2579.2 R2580.2 R2581.1 R2582.2 R2583.2 R2602.1 R2617.1 R2619.1 R2647.1 R3555.1 R9995.1 TP1.1 U7.4 U12.12 U12.37 U23.3 U24.14 U24.36 U24.48 U31.A13 U31.B6 U31.B16 U31.D7 U31.D12 U31.E15 U31.M6 U31.T8 U31.U11 U31.W7 U31.Y10 U65.2 U72.10
VCC1: C2395.1 C2401.1 C2402.2 C2403.1 C2404.1 C2405.1 C2406.1 C2407.1 C2408.1 C2409.1 R2618.1 R2621.2 R2622.2 R2623.2 R2624.2 R2625.2 R2626.2 R2627.2 R2628.2 R2629.2 R2630.2 R2631.2 R2632.2 R2633.2 R2634.2 R2635.2 R2636.2 R2637.2 R2638.2 R2639.2 R2640.2 R2641.2 R2642.2 R2643.2 R2644.2 U72.3
VCC6: C68.1 C538.1 R1279.2 R2440.2 X3.8
VCC8: C661.2 C662.1 D24.2 EC2.1 EC5.1 EC6.1 L9.2 L11.2 L37.2 R2350.1 R2544.2 R2545.1 R2547.1 R2549.2 R2556.1
VCC-DDR: C390.2 C392.2 C1985.2 C2250.2 C2269.1 C2280.1 C2288.2 C2291.2 C2292.1 C2293.1 C2294.1 C2295.2 C2296.1 C2297.2 C2298.1 C2299.2 C2300.1 C2303.2 C2367.1 C2368.1 C2369.1 C2370.1 C2371.1 C2372.1 C2373.2 C2374.1 C2375.1 C2376.1 C2377.2 C2378.1 C2379.1 C2381.2 C2382.1 C2383.1 C2396.2 C2397.2 C2399.1 L32.1 R1417.1 R2159.2 R2457.1 R2458.2 R2537.2 R2615.2 TP2.1 U31.A3 U31.D2 U31.E5 U31.G1 U31.H4 U31.L3 U31.P2 U31.R5 U31.U1 U31.V4 U66.A1 U66.A8 U66.B2 U66.C1 U66.C9 U66.D2 U66.D9 U66.E9 U66.F1 U66.G7 U66.H2 U66.H9 U66.K2 U66.K8 U66.N1 U66.N9 U66.R1 U66.R9 U72.2
VCCA: C82.2 C397.1 C399.1 C2337.1 C2338.1 C2339.1 C2340.2 C2341.2 C2342.1 C2344.1 C2351.1 C2352.1 C2353.2 C2354.1 C2355.1 C2356.2 FB10.2 L33.2 R1420.2 R1493.2 R2603.2 R2604.2 TP3.1 U31.F8 U31.G9 U31.H8 U31.J11 U31.K8 U31.L11 U31.M8 U31.N9 U31.N11 U31.P10 U31.R9
VCCB: C663.1 R1494.2 R1495.2 R1496.2 R2460.1 U31.K6
VCCE: C363.2 C2305.2 C2306.2 C2307.1 C2308.2 C2309.2 C2310.1 C2312.2 C2313.1 C2314.1 C2365.2 FB16.1 L29.2 R2540.2 U31.N19 U31.R15 U31.T18 U31.V14 U31.W17 U31.Y20
VCCO: C2315.1 C2316.1 C2317.2 C2318.1 C2319.2 C2320.1 C2321.2 C2322.2 C2323.2 C2366.1 FB15.1 U31.C19 U31.F18 U31.H14 U31.J17 U31.K20 U31.M16
VCCP: C383.1 C385.1 C2324.1 C2325.1 C2326.1 C2327.1 C2328.2 C2329.2 C2330.1 C2331.1 C2332.2 C2333.2 C2334.2 C2335.1 C2336.2 C2345.1 C2346.1 C2347.2 C2357.2 C2358.1 C2359.2 C2360.2 C2361.2 C2362.1 C2363.2 C9999.1 L31.2 R1373.1 R1414.2 TP4.1 U31.G7 U31.G11 U31.G13 U31.H10 U31.H12 U31.J7 U31.J13 U31.K12 U31.L7 U31.L13 U31.M12 U31.N7 U31.N13 U31.P8 U31.P12 U31.R7 U31.R13
#CE_0: R1359.1 U12.9 U31.E6
#RE_0: R2583.1 R2590.1 U12.8 U31.D5
#WE_0: R2579.1 R2586.1 U12.18 U31.D6
ALE_0: R2580.1 R2587.1 U12.17 U31.B8
CLE_0: R2582.1 R2598.1 U12.16 U31.D8
CLK_0: R2340.1 U31.E7
DATA1-5_0: R2479.2 U31.A20
DATA1-6_0: R2483.2 U31.H16
DATA1-7_0: R2478.2 U31.B19
DATA1-8_0: R2482.2 U31.B20
DATA1-9_0: R2477.2 U31.C20
DATA1-11_0: R2476.2 U31.H17
DATA1-13_0: R9997.2 U31.D20
DATA1-14_0: R1488.2 U31.D18
DATA1-15_0: R2474.2 U31.H18
DATA1-16_0: R1487.2 U31.D19
DATA1-17_0: R2473.2 U31.F20
DATA1-18_0: R2480.2 U31.E19
DATA1-19_0: R2472.2 U31.F19
DATA1-20_0: R2481.2 U31.K17
DATA2-5_0: R2484.2 U31.G20
DATA2-6_0: R2493.2 U31.J18
DATA2-7_0: R2485.2 U31.G19
DATA2-8_0: R2492.2 U31.H20
DATA2-9_0: R2486.2 U31.J19
DATA2-11_0: R9996.2 U31.K18
DATA2-13_0: R2488.2 U31.K19
DATA2-14_0: R2506.2 U31.J20
DATA2-15_0: R2489.2 U31.L16
DATA2-16_0: R2505.2 U31.L19
DATA2-17_0: R2490.2 U31.M18
DATA2-18_0: R2507.2 U31.L20
DATA2-19_0: R2491.2 U31.M20
DATA2-20_0: R2504.2 U31.L17
DATA3-5_0: R2496.2 U31.M19
DATA3-6_0: R2510.2 U31.N20
DATA3-7_0: R2497.2 U31.P18
DATA3-8_0: R2511.2 U31.M17
DATA3-9_0: R2498.2 U31.N17
DATA3-11_0: R2499.2 U31.P20
DATA3-13_0: R2500.2 U31.R18
DATA3-14_0: R1492.2 U31.R19
DATA3-15_0: R2501.2 U31.P19
DATA3-16_0: R1491.2 U31.T20
DATA3-17_0: R2502.2 U31.U20
DATA3-18_0: R2509.2 U31.T19
DATA3-19_0: R2503.2 U31.V20
DATA3-20_0: R2508.2 U31.U19
DDR-A0_0: R2517.2 R2621.1 U66.N3
DDR-A1_0: R2518.2 R2622.1 U66.P7
DDR-A2_0: R2519.2 R2623.1 U66.P3
DDR-A3_0: R2520.2 R2624.1 U66.N2
DDR-A4_0: R2521.2 R2625.1 U66.P8
DDR-A5_0: R2522.2 R2626.1 U66.P2
DDR-A6_0: R2523.2 R2627.1 U66.R8
DDR-A7_0: R2524.2 R2628.1 U66.R2
DDR-A8_0: R2525.2 R2629.1 U66.T8
DDR-A9_0: R2526.2 R2630.1 U66.R3
DDR-A10_0: R2527.2 R2631.1 U66.L7
DDR-A11_0: R2528.2 R2632.1 U66.R7
DDR-A12_0: R2529.2 R2633.1 U66.N7
DDR-A13_0: R2530.2 R2634.1 U66.T3
DDR-A14_0: R2531.2 R2635.1 U66.T7
DDR-BA0_0: R2514.2 R2636.1 U66.M2
DDR-BA1_0: R2515.2 R2637.1 U66.N8
DDR-BA2_0: R2516.2 R2638.1 U66.M3
DDR-CAS_0: R2533.2 R2640.1 U66.K3
DDR-CK#_0: R2542.1 U31.M2 U66.K7
DDR-CK_0: R2542.2 U31.L2 U66.J7
DDR-CKE_0: R2536.2 R2644.1 U66.K9
DDR-CS_0: R2535.2 R2643.1 U66.L2
DDR-DQ0_0: U31.C3 U66.E3
DDR-DQ1_0: U31.B3 U66.F7
DDR-DQ2_0: U31.A2 U66.F2
DDR-DQ3_0: U31.A4 U66.F8
DDR-DQ4_0: U31.D3 U66.H3
DDR-DQ5_0: U31.D1 U66.H8
DDR-DQ6_0: U31.C1 U66.G2
DDR-DQ7_0: U31.E1 U66.H7
